# Altium PCB Sheet1.PcbDoc
Units mil, origin at the board's own origin, x right, y up, seen from the top; angles counter-clockwise.
Board outline 4902 x 5615 mil, 2 copper layers (Top Layer, Bottom Layer); 94 components, 48 nets, 516 pads, 0 vias.
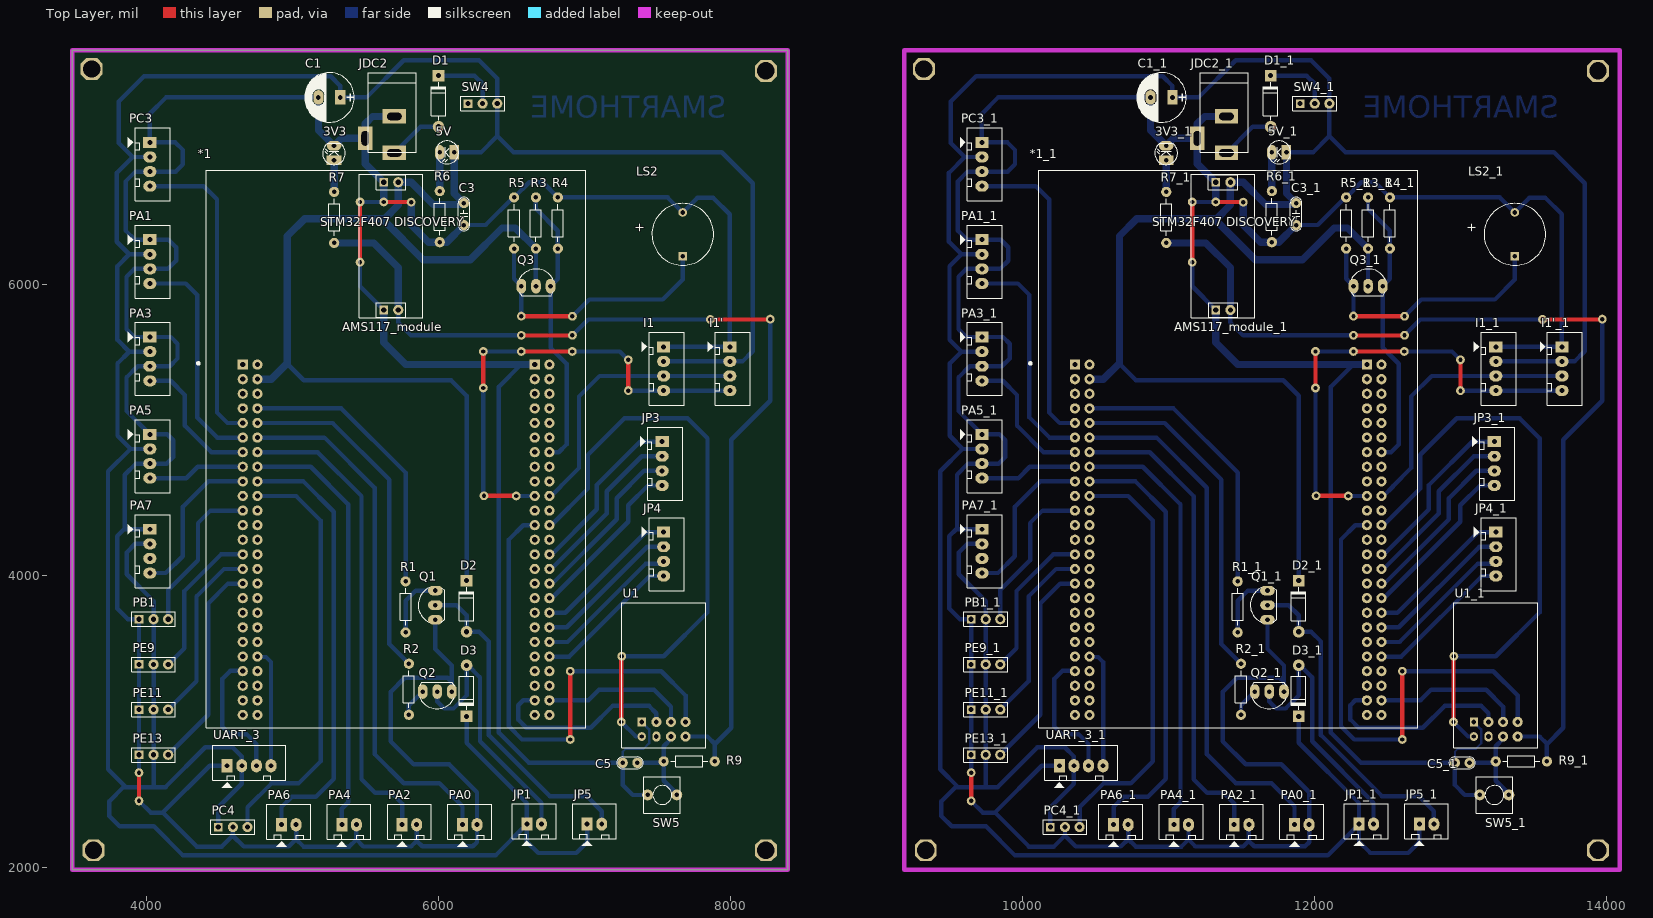
[diagram p0: Top Layer view]
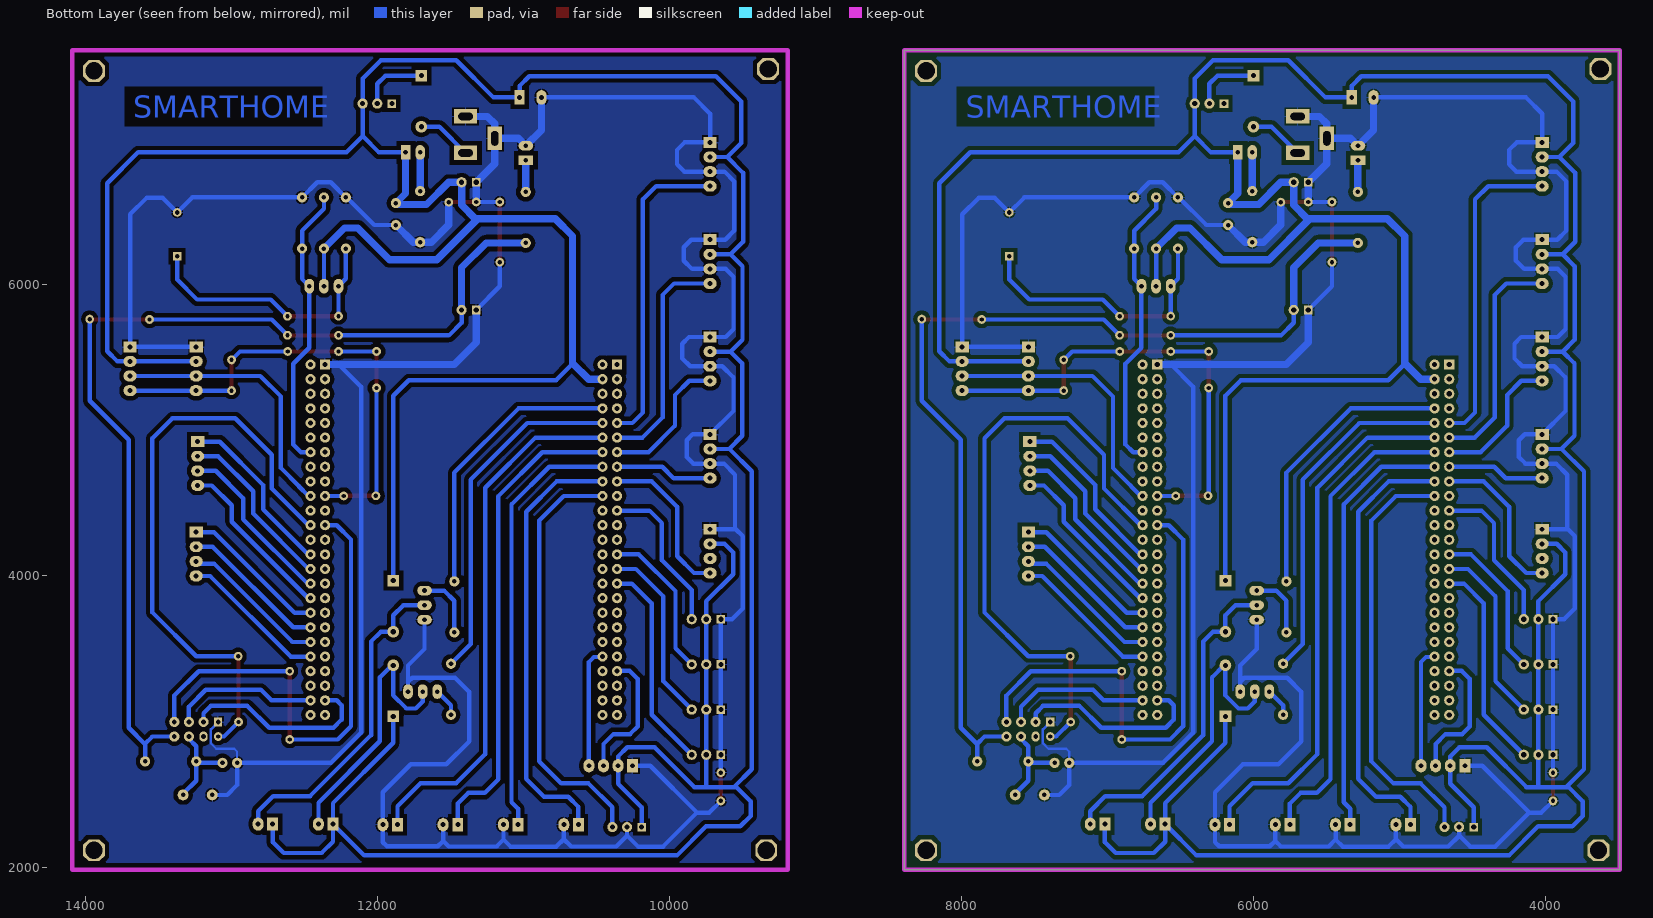
[diagram p1: Bottom Layer view, seen from below]

## Layer stack, top to bottom
Top Solder: solder mask 0.4, Solder Resist, Dk 3.5
Top Layer: signal copper 1.4
Dielectric 1: dielectric 12.6, FR-4, Dk 4.8
Bottom Layer: signal copper 1.4
Bottom Solder: solder mask 0.4, Solder Resist, Dk 3.5

## Board outline
3488,1987 8390,1987 8390,7602 3488,7602

## Design rules (kind name [scope] priority, off if disabled: settings)
Clearance [All] p1: gap=30 ignorepadtopadclearanceinfootprint=FALSE
PolygonConnect [All] p1: connectstyle=Relief reliefconductorwidth=10 reliefentries=4 polygonreliefangle="90 Angle" airgapwidth=10
RoutingVias [All] p1: holewidth=28 width=50 viastyle="Through Hole" minholewidth=28 minwidth=50 maxholewidth=28 maxwidth=50
SolderMaskExpansion [All] p1: expansion=4
UnRoutedNet [All] p1: checkbadconnections=TRUE
Width [All] p1: maxlimit=70 minlimit=10 preferedwidth=30
29 further rules are at their usual default settings.

## Classes and differential pairs
component class Sheet1: 3V3 5V *1 AMS117_module C1 C3 C5 D1 D2 D3 I1 I1' JDC2 JP1 JP3 JP4 JP5 LS2 PA0 PA1 PA2 PA3 PA4 PA5 PA6 PA7 PB1 PC3 PC4 PE9 PE11 PE13 Q1 Q2 Q3 R1 R2 R3 R4 R5 R6 R7 R9 SW4 SW5 U1 UART_3

## Components (designator, comment, footprint, x,y, rotation, side; value= is the part's Value field where it differs from the comment)
3V3 "LED" LED-3 5282,6847 r90 top locked value="LED 3 ly Single Colour"
3V3_1 "LED" LED-3 10982,6847 r90 top locked value="LED 3 ly Single Colour" (schematic designator 3V3)
5V "LED" LED-3 6106,6901.6 r180 top locked value="LED 3 ly Single Colour"
5V_1 "LED" LED-3 11806,6901.6 r180 top locked value="LED 3 ly Single Colour" (schematic designator 5V)
*1 "Component_1" MODULE_STM32F4DISCOVERY 5707,4870.05 r0 top
*1_1 "Component_1" MODULE_STM32F4DISCOVERY 11407,4870.05 r0 top (schematic designator *1)
AMS117_module "Component_1" PCBComponent_1 5455.66,6751.72 r0 top locked
AMS117_module_1 "Component_1" PCBComponent_1 11155.66,6751.72 r0 top locked (schematic designator AMS117_module)
C1 "1000uF/16V" CP1.5/3.4 5325,7278 r180 top locked
C1_1 "1000uF/16V" CP1.5/3.4 11025,7278 r180 top locked (schematic designator C1)
C3 "104" CN1.5 6172,6404 r90 top locked value=0.01uF
C3_1 "104" CN1.5 11872,6404 r90 top locked value=0.01uF (schematic designator C3)
C5 "104" CN1 7360,2720 r180 top locked value=100pF
C5_1 "104" CN1 13060,2720 r180 top locked value=100pF (schematic designator C5)
D1 "1N4007" D1A 5998,7077 r270 top
D1_1 "1N4007" D1A 11698,7077 r270 top (schematic designator D1)
D2 "1N4007" D1A 6190,3618 r270 top
D2_1 "1N4007" D1A 11890,3618 r270 top (schematic designator D2)
D3 "1N4007" D1A 6190,3388 r90 top
D3_1 "1N4007" D1A 11890,3388 r90 top (schematic designator D3)
I1 "" CON4 7540,5570 r270 top locked value="Connector 4"
I1' "" CON4 7993,5570 r270 top value="Connector 4"
I1'_1 "" CON4 13693,5570 r270 top value="Connector 4" (schematic designator I1')
I1_1 "" CON4 13240,5570 r270 top locked value="Connector 4" (schematic designator I1)
JDC2 "Jac DC" DC-IN 5595,7023 r270 top locked
JDC2_1 "Jac DC" DC-IN 11295,7023 r270 top locked (schematic designator JDC2)
JP1 "FAN_5V" CON2 6602.8,2300 r0 top value="Connector 2"
JP1_1 "FAN_5V" CON2 12302.8,2300 r0 top value="Connector 2" (schematic designator JP1)
JP3 "JP4" CON4 7530,4920 r270 top locked value="Connector 4"
JP3_1 "JP4" CON4 13230,4920 r270 top locked value="Connector 4" (schematic designator JP3)
JP4 "JP4" CON4 7540,4300 r270 top locked value="Connector 4"
JP4_1 "JP4" CON4 13240,4300 r270 top locked value="Connector 4" (schematic designator JP4)
JP5 "FAN_5V" CON2 7016,2300 r0 top value="Connector 2"
JP5_1 "FAN_5V" CON2 12716,2300 r0 top value="Connector 2" (schematic designator JP5)
LS2 "Speaker" SPEAKER 7670.5,6190 r90 top
LS2_1 "Speaker" SPEAKER 13370.5,6190 r90 top (schematic designator LS2)
PA0 "" CON2 6161.6,2296 r0 top value="Connector 2"
PA0_1 "" CON2 11861.6,2296 r0 top value="Connector 2" (schematic designator PA0)
PA1 "" CON4 4020,6303.33 r270 top locked value="Connector 4"
PA1_1 "" CON4 9720,6303.33 r270 top locked value="Connector 4" (schematic designator PA1)
PA2 "" CON2 5748.4,2296 r0 top value="Connector 2"
PA2_1 "" CON2 11448.4,2296 r0 top value="Connector 2" (schematic designator PA2)
PA3 "" CON4 4020,5636.67 r270 top locked value="Connector 4"
PA3_1 "" CON4 9720,5636.67 r270 top locked value="Connector 4" (schematic designator PA3)
PA4 "" CON2 5335.2,2296 r0 top value="Connector 2"
PA4_1 "" CON2 11035.2,2296 r0 top value="Connector 2" (schematic designator PA4)
PA5 "" CON4 4020,4970 r270 top locked value="Connector 4"
PA5_1 "" CON4 9720,4970 r270 top locked value="Connector 4" (schematic designator PA5)
PA6 "" CON2 4922,2296 r0 top value="Connector 2"
PA6_1 "" CON2 10622,2296 r0 top value="Connector 2" (schematic designator PA6)
PA7 "" CON4 4020,4320 r270 top value="Connector 4"
PA7_1 "" CON4 9720,4320 r270 top value="Connector 4" (schematic designator PA7)
PB1 "Header 3" HDR1X3 3946,3704 r0 top
PB1_1 "Header 3" HDR1X3 9646,3704 r0 top (schematic designator PB1)
PC3 "" CON4 4020,6970 r270 top locked value="Connector 4"
PC3_1 "" CON4 9720,6970 r270 top locked value="Connector 4" (schematic designator PC3)
PC4 "Header 3" HDR1X3 4489,2280 r0 top
PC4_1 "Header 3" HDR1X3 10189,2280 r0 top (schematic designator PC4)
PE9 "Header 3" HDR1X3 3946,3394.33 r0 top
PE9_1 "Header 3" HDR1X3 9646,3394.33 r0 top (schematic designator PE9)
PE11 "Header 3" HDR1X3 3946,3084.67 r0 top
PE11_1 "Header 3" HDR1X3 9646,3084.67 r0 top (schematic designator PE11)
PE13 "Header 3" HDR1X3 3946,2775 r0 top
PE13_1 "Header 3" HDR1X3 9646,2775 r0 top (schematic designator PE13)
Q1 "C1815" QTO-92 5976,3800 r90 top
Q1_1 "C1815" QTO-92 11676,3800 r90 top (schematic designator Q1)
Q2 "C1815" QTO-92 5989,3208 r180 top
Q2_1 "C1815" QTO-92 11689,3208 r180 top (schematic designator Q2)
Q3 "C1815" QTO-92 6665.24,5985 r0 top
Q3_1 "C1815" QTO-92 12365.24,5985 r0 top (schematic designator Q3)
R1 "1k" R1/4W 5772,3963 r270 top value="R1/4W - 1K"
R1_1 "1k" R1/4W 11472,3963 r270 top value="R1/4W - 1K" (schematic designator R1)
R2 "1k" R1/4W 5794.83,3399 r270 top value="R1/4W - 1K"
R2_1 "1k" R1/4W 11494.83,3399 r270 top value="R1/4W - 1K" (schematic designator R2)
R3 "1k" R1/4W 6665,6593 r270 top value="R1/4W - 1K"
R3_1 "1k" R1/4W 12365,6593 r270 top value="R1/4W - 1K" (schematic designator R3)
R4 "1k" R1/4W 6815,6593 r270 top value="R1/4W - 1K"
R4_1 "1k" R1/4W 12515,6593 r270 top value="R1/4W - 1K" (schematic designator R4)
R5 "1k" R1/4W 6515,6593 r270 top value="R1/4W - 1K"
R5_1 "1k" R1/4W 12215,6593 r270 top value="R1/4W - 1K" (schematic designator R5)
R6 "1k" R1/4W 6006,6636.4 r270 top locked value="R1/4W - 1K"
R6_1 "1k" R1/4W 11706,6636.4 r270 top locked value="R1/4W - 1K" (schematic designator R6)
R7 "1k" R1/4W 5283,6281 r90 top locked value="R1/4W - 1K"
R7_1 "1k" R1/4W 10983,6281 r90 top locked value="R1/4W - 1K" (schematic designator R7)
R9 "1k" R1/4W 7540,2730 r0 top locked value="R1/4W - 1K"
R9_1 "1k" R1/4W 13240,2730 r0 top locked value="R1/4W - 1K" (schematic designator R9)
SW4 "Switch 3x1" HDR1X3 6200,7236 r0 top value="Switch 4x2"
SW4_1 "Switch 3x1" HDR1X3 11900,7236 r0 top value="Switch 4x2" (schematic designator SW4)
SW5 "SW" SW2 7630,2500 r180 top locked value="SW chip 2 pin"
SW5_1 "SW" SW2 13330,2500 r180 top locked value="SW chip 2 pin" (schematic designator SW5)
U1 "ESP-01" ESP8266 7538,2957 r180 top locked
U1_1 "ESP-01" ESP8266 13238,2957 r180 top locked (schematic designator U1)
UART_3 "" CON4 4550,2700 r0 top locked value="Connector 4"
UART_3_1 "" CON4 10250,2700 r0 top locked value="Connector 4" (schematic designator UART_3)

## Footprints (in the part's own frame and the unit in brackets; to place one, negate y for a bottom-side part, rotate by r counter-clockwise, add the part's x,y. Pads: shape width x height; smd on the part's side, far side on the other; paste and mask are expansions set on the pad)
CN1 [mil]
  round 70 hole 31: 1(0,0) 2(100,0)
  silkscreen extent -40,-40 141,40, body extent -60,-30 170,37, height 265
CN1.5 [mil]
  round 70 hole 31: 1(0,0) 2(150,0)
  silkscreen extent -40,-40 190,40, body extent -40,-33 190,33, height 235
CON2 [mil] "CON2"
  rect 75x90 hole 34: 1(0,0)
  oval 75x90 hole 34: 2(100,0)
  silkscreen extent -100,-150 200,140, body extent -68,-70 168,107, height 236
CON4 [mil] "CON4"
  rect 75x90 hole 34: 1(0,0)
  oval 75x90 hole 34: 2(100,0) 3(200,0) 4(300,0)
  silkscreen extent -100,-150 400,140, body extent -90,-90 398,136, height 276
CP1.5/3.4 [mil] "Tu hoa 220->470uF,16V, 470uF/16V,25V"
  rect 70x100 hole 32: 1(0,0)
  oval 70x100 hole 32: 2(150,0)
  silkscreen extent -95,-170 245,170, body extent -85,-157 230,157, height 446
D1A [mil] "Diode 1A, W 100mil, L 350mil"
  round 80 hole 35: 1(0,0)
  rect 80x80 hole 35: 2(-350,0)
  silkscreen extent -305,-50 -45,50, body extent -386,-33 34,36, height 84
DC-IN [mil] "Jac DC input"
  rect 100x160 hole 50 slot 100 at 90 deg: 1(125,100) 2(-125,100)
  rect 160x100 hole 50 slot 100 at 0 deg: 3(25,-100)
  silkscreen extent -425,-80 120,250, body extent -410,-105 134,269, height 434
ESP8266 [mil]
  oval 56x60 hole 30: 1(148,57)
  oval 56x70 hole 32: 2(48,57)
  round 70 hole 32: 3(-52,57) 4(-152,57) 5(-152,-43) 6(-52,-43) 7(48,-43)
  rect 56x60 hole 32: 8(148,-43)
  silkscreen extent -290,-860 285,132, body extent -290,-858 281,118, height 566
HDR1X3 [mm] "Connector; Header; 3 Position"
  rect 1.5x1.5 hole 0.9: 1(0,0)
  round 1.778 hole 0.9: 2(2.54,0) 3(5.08,0)
  silkscreen extent -1.27,-1.27 6.35,1.27
LED-3 [mil] "LED 2 PIN, 3ly Only colour"
  rect 65x100 hole 32: 1(0,0)
  oval 65x100 hole 32: 2(100,0)
  silkscreen extent -29,-78 118,79, body extent -13,-75 125,75, height 217
MODULE_STM32F4DISCOVERY [mil]
  rect 70x70 hole 35: 1(-1050,577.95) 51(950,577.95)
  round 70 hole 35: 2(-1050,477.95) 3(-1050,377.95) 4(-1050,277.95) 5(-1050,177.95) 6(-1050,77.95) 7(-1050,-22.05) 8(-1050,-122.05) 9(-1050,-222.05) 10(-1050,-322.05) 11(-1050,-422.05) 12(-1050,-522.05) 13(-1050,-622.05) 14(-1050,-722.05) 15(-1050,-822.05) 16(-1050,-922.05) 17(-1050,-1022.05) 18(-1050,-1122.05) 19(-1050,-1222.05) 20(-1050,-1322.05) 21(-1050,-1422.05) 22(-1050,-1522.05) 23(-1050,-1622.05) 24(-1050,-1722.05) 25(-1050,-1822.05) 26(-950,577.95) 27(-950,477.95) 28(-950,377.95) 29(-950,277.95) 30(-950,177.95) 31(-950,77.95) 32(-950,-22.05) 33(-950,-122.05) 34(-950,-222.05) 35(-950,-322.05) 36(-950,-422.05) 37(-950,-522.05) 38(-950,-622.05) 39(-950,-722.05) 40(-950,-822.05) 41(-950,-922.05) 42(-950,-1022.05) 43(-950,-1122.05) 44(-950,-1222.05) 45(-950,-1322.05) 46(-950,-1422.05) 47(-950,-1522.05) 48(-950,-1622.05) 49(-950,-1722.05) 50(-950,-1822.05) 52(950,477.95) 53(950,377.95) 54(950,277.95) 55(950,177.95) 56(950,77.95) 57(950,-22.05) 58(950,-122.05) 59(950,-222.05) 60(950,-322.05) 61(950,-422.05) 62(950,-522.05) 63(950,-622.05) 64(950,-722.05) 65(950,-822.05) 66(950,-922.05) 67(950,-1022.05) 68(950,-1122.05) 69(950,-1222.05) 70(950,-1322.05) 71(950,-1422.05) 72(950,-1522.05) 73(950,-1622.05) 74(950,-1722.05) 75(950,-1822.05) 76(1050,577.95) 77(1050,477.95) 78(1050,377.95) 79(1050,277.95) 80(1050,177.95) 81(1050,77.95) 82(1050,-22.05) 83(1050,-122.05) 84(1050,-222.05) 85(1050,-322.05) 86(1050,-422.05) 87(1050,-522.05) 88(1050,-622.05) 89(1050,-722.05) 90(1050,-822.05) 91(1050,-922.05) 92(1050,-1022.05) 93(1050,-1122.05) 94(1050,-1222.05) 95(1050,-1322.05) 96(1050,-1422.05) 97(1050,-1522.05) 98(1050,-1622.05) 99(1050,-1722.05) 100(1050,-1822.05)
  silkscreen extent -1363,-1909 1299,1909, body extent -1298,-2020 1300,1960, height 969
PCBComponent_1 [mm]
  round 1.778 hole 0.9: 1(6.765,-1.39) 3(6.77,-23.61)
  rect 1.5x1.5 hole 0.9: 2(4.225,-1.39) 4(4.23,-23.61)
  silkscreen extent 0,-25 11,0.25
QTO-92 [mil] "TO-92"
  oval 66x100 hole 32: 1(-100,0) 2(0,0) 3(100,0)
  silkscreen extent -117,-65 120,118, body extent -109,-66 109,95, height 245
R1/4W [mil] "R 1/4W, 2 Pin, 350mil"
  round 70 hole 31: 1(0,0) 2(350,0)
  silkscreen extent 48,-38 302,38, body extent -40,-47 386,47, height 111
SPEAKER [mm]
  rect 1.5x1.5 hole 0.8: 1(0,0)
  round 1.5 hole 0.8: 2(7.62,0.013)
  silkscreen extent -1.55,-5.38 9.18,5.36, body extent -2.22,-6 13.24,6, height 4.5
SW2 [mil] "SW button 2pin, 250x 250 mil"
  round 75 hole 31: 1(0,0) 2(200,0)
  silkscreen extent -25,-125 225,125

## Part data
3V3 3V3_1 5V 5V_1: "LED Single colour Green and Red"
C1 C1_1: library part CP4, "Cap 1000uF/16V - 220uF/50V", Description 1="2200uF-3300uF/6,3V - 1000uF-2200uF/10V", Description 2="1000uF/16V - 470uF => 1000uF/25V - 100uF/100V", Description 3=330uF>470uF/35V_220uF>470uF/50V_10uF>22uF/250V, Description 4="220uF => 330uF/63V - 10uF =>33uF/160 - 200V", Description 5="4,7uF>10uF/250V_3,3uF>10uF/400V - 2,2uF>4,7uF/450V"
C3 C3_1: library part CN1.5, "Cap np 682pF => 104pF"
C5 C5_1: library part CN1, "Cap np  1pF - 472pF"
D1 D1_1 D2 D2_1 D3 D3_1: library part D1A, "Diode 1A"
I1 I1' I1'_1 I1_1 JP3 JP3_1 JP4 JP4_1 PA1 PA1_1 PA3 PA3_1 PA5 PA5_1 PA7 PA7_1 PC3 PC3_1 UART_3 UART_3_1: library part Con4, "Connector 4"
JDC2 JDC2_1: library part DCIN, "Jac DC input"
JP1 JP1_1 JP5 JP5_1 PA0 PA0_1 PA2 PA2_1 PA4 PA4_1 PA6 PA6_1: library part Con2, "Connector 2"
LS2 LS2_1: "Loudspeaker", LatestRevisionDate=17-Jul-2002, LatestRevisionNote="Re-released for DXP Platform.", PackageReference=PIN2, Published=24-Mar-1999, Publisher="Altium Limited"
PB1 PB1_1 PC4 PC4_1 PE9 PE9_1 PE11 PE11_1 PE13 PE13_1: "Header, 3-Pin", LatestRevisionDate=17-Jul-2002, LatestRevisionNote="Re-released for DXP Platform.", Publisher="Altium Limited"
Q1 Q1_1 Q2 Q2_1 Q3 Q3_1: "NPN 600mW, ECB", =C2383
R1 R1_1 R2 R2_1 R3 R3_1 R4 R4_1 R5 R5_1 R6 R6_1 R7 R7_1 R9 R9_1: library part R1/4W, "Resistor 1/4W"
SW4 SW4_1: library part SW3x1
SW5 SW5_1: library part SW2, "Switch button 2 pin"
U1 U1_1: library part ESP8266-01, "ESP-12 Wi-Fi Module"

## Free pads (board coordinates)
  round 60 hole 30: 8(5622.2,6562) 8(11322.2,6562) 9(5810,6561) 9(11510,6561) 15(6565.24,5780.24) 15(12265.24,5780.24) 16(6915,5779) 16(12615,5779) 17(3946,2653) 17(9646,2653) 18(3946,2459) 18(9646,2459) 19(6565,5648) 19(6915,5649) 19(12265,5648) 19(12615,5649) 20(7860,5757) 20(13560,5757) 21(8270,5759.67) 21(13970,5759.67) 22(7298,5270) 22(12998,5270) 23(7298,5480) 23(12998,5480) 24(6913.76,5538) 24(12613.76,5538) 25(6565,5538) 25(12265,5538) 26(6305,5538) 26(12005,5538) 27(6305,5288) 27(12005,5288) 28(6530,4548) 28(12230,4548) 29(6309,4549) 29(12009,4549) 30(5460.2,6562) 30(11160.2,6562) 31(5460.2,6150) 31(11160.2,6150) 32(7250,3000) 32(12950,3000) 33(7253,3450) 33(12953,3450) 34(6900.05,3347.95) 34(12600.05,3347.95) 35(6900.05,2880) 35(12600.05,2880)
  oct 150x150 hole 118.11: 14(3622,7472) 14(3635,2121) 14(8240,2121) 14(8240,7460) 14(9322,7472) 14(9335,2121) 14(13940,2121) 14(13940,7460)

## Nets (pads, with @x,y where several pads share a name; then routed paths per layer and width w, separated by ;. In a path a pad name is that pad's centre, name@x,y a point inside that pad or via, vN(x,y) a via of type N, cw(c..) or ccw(c..) an arc to the next point about the centre after c; other vN are vias at no path point)
3V3: AMS117_module.3 pad.19@6565,5648 pad.19@6915,5649 pad.20@7860,5757 pad.21@8270,5759.67 R7.1 R9.2 U1.4 | length 6926.6
  Top Layer w30: pad.19@6565,5648 6906,5646 pad.19@6915,5649 ; pad.20@7860,5757 pad.21@8270,5759.67
  Bottom Layer w30: AMS117_module.3 5722.2,5734.8 5809,5648 pad.19@6565,5648 ; pad.19@6915,5649 7023,5757 pad.20@7860,5757 ; U1.4 7840,2900 7890,2850 7890,2847 ; R9.2 7890,2847 ; pad.21@8270,5759.67 8270,5200 8003,4933 8003,2960 7890,2847
  Bottom Layer w50: R7.1 5554,6281 5722.2,6112.8 AMS117_module.3
5V: 5V.1 *1.27 AMS117_module.1 C1.1 C3.2 D2.2 D3.2 I1'.2 I1.2 JP1.1 JP5.1 PA1.2 PA3.2 PA5.2 PA7.2 PB1.2 PC3.2 PC4.1 PE9.2 PE11.2 PE13.2 Q3.2 R3.2 SW4.3 UART_3.2 | length 28416.7
  Bottom Layer w30: PA7.2 3921,4220 3862,4161 3862,4012 4046,3828 PB1.2 PE9.2 PE11.2 PE13.2 4046,2554 ; PA5.2 3889,4870 ; PA3.2 3879.67,5536.67 ; PA1.2 3879.67,6203.33 ; PC3.2 3903,6870 ; PC4.1 4489,2415 4650,2576 UART_3.2 4650,2763 4587,2826 4400,2826 4128,2554 4046,2554 ; 4962,5453 5075,5340 6084,5340 6190,5234 D2.2 ; 5V.1 6288.6,6901.6 6400,7013 ; D3.2 6190,2857 6602.8,2444.2 JP1.1 ; R3.2 6665,5985.24 Q3.2 ; JP5.1 7016,2177 6941,2102 6681,2102 6602.8,2180.2 JP1.1 ; I1.2 I1'.2 8080,5470 8150,5540 8150,6690 7938,6902 6511,6902 6400,7013 ; 3856,2554 3840,2554 3742,2456 3742,2356 3813,2285 4048,2285 4247,2086 6388.8,2086 JP1.1 ; 3856,2554 4046,2554 ; 3856,2554 3734,2676 3734,4717 3887,4870 3889,4870 ; 3879.67,5536.67 3799,5456 3799,4960 3889,4870 ; 3879.67,5536.67 3798,5618.33 3798,6121.67 3879.67,6203.33 ; 3879.67,6203.33 3794,6289 3794,6761 3903,6870 ; 3903,6870 3807,6966 3807,7250 3980,7423 5259,7423 5325,7357 C1.1 5504,7278 5759,7533 6275,7533 6400,7408 SW4.3 6400,7013
  Bottom Layer w50: *1.27@4750,5347.95 4851.95,5347.95 4962,5458 ; 4962,5453 4962,5458 ; 5V.1 6106,6620 C3.2 6163,6545 5962,6545 5810,6697 AMS117_module.1 5722,6541.6 5628.4,6448 ; R3.2 6524,6384 6433,6384 6216,6167 5895.86,6167 5891.86,6167 5621.63,6437.23 5621.63,6441.23 5628.4,6448 ; 4962,5458 4962,6329 5081,6448 5628.4,6448
ESP_RST: C5.1 R9.1 SW5.1 U1.3 | length 642.1
  Bottom Layer w30: C5.1 7530,2720 R9.1 ; U1.3 7590,2884 7540,2834 R9.1 ; SW5.1 7630,2508 7540,2598 R9.1
GND: 3V3.2 *1.51 AMS117_module.2 AMS117_module.4 C1.2 C3.1 C5.2 I1'.1 I1.1 JDC2.2 JDC2.3 LS2.2 PA0.2 PA1.1 PA1.3 PA2.2 PA3.1 PA3.3 PA4.2 PA5.1 PA5.3 PA6.2 PA7.1 pad.8@5622.2,6562 pad.9@5810,6561 pad.17@3946,2653 pad.18@3946,2459 pad.30@5460.2,6562 pad.31@5460.2,6150 PB1.1 PC3.1 PC3.3 PC4.2 PE9.1 PE11.1 PE13.1 Q1.1 Q2.1 R4.1 R5.1 R6.2 SW5.2 U1.8 UART_3.1 | length 26624.2
  Top Layer w30: pad.18@3946,2459 pad.17@3946,2653 ; pad.31@5460.2,6150 pad.30@5460.2,6562 ; pad.8@5622.2,6562 5809,6562 pad.9@5810,6561
  Bottom Layer w15: C5.2 7260,2796.47 7279.53,2816 7402.65,2816 7440,2853.35
  Bottom Layer w18: U1.8 7440,2950 7440,2853.35
  Bottom Layer w30: pad.18@3946,2459 4026,2379 4109,2379 ; pad.17@3946,2653 PE13.1 PE11.1 PE9.1 PB1.1 3870,3704 3797,3777 3797,4273 3844,4320 3849,4320 ; PA7.1 3849,4320 ; UART_3.1 4430,2700 4109,2379 ; PC4.2 4589,2222 ; PA6.2 5022,2197 ; C1.2 4131,7278 4020,7167 PC3.1 4195,6970 4247,6918 4247,6820 4197,6770 PC3.3 3922,6770 3854,6702 3854,6366 3916.67,6303.33 PA1.1 4148.67,6303.33 4200,6252 4200,6160 4143.33,6103.33 PA1.3 3913.33,6103.33 3860,6050 3860,5690 3913.33,5636.67 PA3.1 4164.5,5636.67 4210,5591.17 4210,5490 4156.67,5436.67 PA3.3 3936.67,5436.67 3860,5360 3860,5130 PA5.1 4140,4970 4180,4930 4180,4815 4135,4770 PA5.3 3925,4770 3849,4694 3849,4320 ; PA4.2 5435.2,2194.2 ; pad.31@5460.2,6150 5460.2,5984.2 AMS117_module.4 ; pad.30@5460.2,6562 pad.8@5622.2,6562 ; PA2.2 5848.4,2185.4 ; Q1.1 5976,3500 6089,3387 6089,3274 ; Q2.1 6089,3274 ; C3.1 6320,6404 6509,6593 R5.1 6619,6697 6711,6697 R4.1 7567,6593 LS2.2 7770,6590 7880,6590 7993,6477 I1'.1 I1.1 ; 6562.95,5447.95 6410,5295 6410,2927 6617,2720 C5.2 7260,2568 7328,2500 SW5.2 ; 4109,2379 4342,2146 4513,2146 4589,2222 ; 4589,2222 4589,2221 4663.5,2146.5 4971.5,2146.5 5022,2197 ; 5022,2197 5073,2146 5387,2146 5435.2,2194.2 ; 5435.2,2194.2 5482.4,2147 5810,2147 5848.4,2185.4 ; 5848.4,2185.4 5885.8,2148 6233,2148 6261.6,2176.6 PA0.2 6261.6,2518.4 6070,2710 5827,2710 5670,2867 5670,3206 5767,3303 6060,3303 6089,3274
  Bottom Layer w50: C1.2 5175,7054 3V3.2 5333,6998 JDC2.3 ; AMS117_module.4 5622.2,5598.8 5773,5448 *1.51 ; pad.8@5622.2,6562 5622,6562.2 AMS117_module.2 5495,6824 JDC2.3 ; JDC2.2 5546,7148 5495,7097 JDC2.3 ; pad.9@5810,6561 5810,6405 5928.6,6286.4 R6.2 6054.4,6286.4 C3.1
K_1: *1.93 JP4.1 | length 1018.7
  Bottom Layer w30: *1.93@6750,3747.95 6865.95,3747.95 7418,4300 JP4.1
K_2: *1.94 JP4.2 | length 1018.7
  Bottom Layer w30: *1.94@6750,3647.95 6875.95,3647.95 7428,4200 JP4.2
K_3: *1.95 JP4.3 | length 1018.7
  Bottom Layer w30: *1.95@6750,3547.95 6880.95,3547.95 7415.5,4082.5 7522.5,4082.5 JP4.3
K_4: *1.96 JP4.4 | length 1018.7
  Bottom Layer w30: *1.96@6750,3447.95 6892.95,3447.95 7445,4000 JP4.4
K_A: *1.89 JP3.1 | length 1197.2
  Bottom Layer w30: *1.89@6750,4147.95 6772.73,4147.95 7082,4457.22 7082,4623.5 7378.5,4920 JP3.1
K_B: *1.90 JP3.2 | length 1188.9
  Bottom Layer w30: *1.90@6750,4047.95 6770.09,4047.95 7150,4427.86 7150,4580 7390,4820 JP3.2
K_C: *1.91 JP3.3 | length 1184.1
  Bottom Layer w30: *1.91@6750,3947.95 6777.95,3947.95 7219,4389 7219,4533 7406,4720 JP3.3
K_D: *1.92 JP3.4 | length 1165.4
  Bottom Layer w30: *1.92@6750,3847.95 6772.95,3847.95 7297,4372 7297,4484 7433,4620 JP3.4
Net3V3_1: 3V3.1 R7.2 | length 216.4
  Bottom Layer w50: 3V3.1 5283,6846 R7.2
Net5V_2: 5V.2 R6.1 | length 265.2
  Bottom Layer w50: R6.1 5V.2
NetD1_1: D1.1 JDC2.1 | length 377.1
  Bottom Layer w30: JDC2.1 5874,7077 D1.1
NetD1_2: D1.2 SW4.2 | length 460.2
  Bottom Layer w30: D1.2 6244,7427 6300,7371 SW4.2
NetD2_1: D2.1 JP5.2 Q1.2 | length 2255.1
  Bottom Layer w30: Q1.2 6121,3800 6190,3731 D2.1 6275,3618 6342,3551 6342,2910.15 6760.15,2492 7013,2492 7116,2389 JP5.2
NetD3_1: D3.1 JP1.2 Q2.2 | length 1838
  Bottom Layer w30: Q2.2 5989,3140 6037,3092 6100.31,3092 6190,3181.69 D3.1 6199,3388 6282,3305 6282,2868 6702.8,2447.2 JP1.2
NetLS2_1: LS2.1 pad.15@6565.24,5780.24 pad.16@6915,5779 Q3.1 R5.2 | length 1853.4
  Top Layer w30: pad.15@6565.24,5780.24 6913.76,5780.24 pad.16@6915,5779
  Bottom Layer w30: R5.2 6515,6035.24 Q3.1 6565.24,5780.24 pad.15@6565,5780 ; pad.16@6915,5779 7030,5894 7534,5894 7670.5,6030.5 LS2.1
NetQ1_3: Q1.3 R1.2 | length 450
  Bottom Layer w30: R1.2 5772,3830 5842,3900 Q1.3
NetQ2_3: Q2.3 R2.2 | length 198
  Bottom Layer w30: R2.2 5794.83,3113.83 Q2.3
PA0: *1.31 PA0.1 | length 3652.6
  Bottom Layer w30: *1.31@4750,4947.95 5216.05,4947.95 5560,4604 5560,2780 5760,2580 6004,2580 6161.6,2422.4 PA0.1
PA1: *1.6 PA1.4 | length 1558.8
  Bottom Layer w30: PA1.4 4266.67,6003.33 4345.28,5924.72 4345.28,5085.51 4482.84,4947.95 *1.6@4650,4947.95
PA2: *1.32 PA2.1 | length 3276.7
  Bottom Layer w30: *1.32@4750,4847.95 5169.24,4847.95 5470,4547.2 5470,2608 5564,2514 5676,2514 5748.4,2441.6 PA2.1
PA3: *1.7 PA3.4 | length 955.4
  Bottom Layer w30: PA3.4 4163.33,5336.67 4260,5240 4260,5030 4442.05,4847.95 *1.7@4650,4847.95
PA4: *1.33 PA4.1 | length 2949.4
  Bottom Layer w30: *1.33@4750,4747.95 5122.05,4747.95 5380,4490 5380,2450 5335.2,2405.2 PA4.1
PA5: *1.8 PA5.4 | length 662.3
  Bottom Layer w30: PA5.4 4270,4670 4347.95,4747.95 *1.8@4650,4747.95
PA6: *1.34 PA6.1 | length 3005.7
  Bottom Layer w30: *1.34@4750,4647.95 5072.05,4647.95 5280,4440 5280,2610 5158,2488 4992,2488 4922,2418 PA6.1
PA7: *1.9 PA7.4 | length 1088.1
  Bottom Layer w30: PA7.4 4130,4020 4245,4135 4245,4472.95 4420,4647.95 *1.9@4650,4647.95
PB1: *1.11 PB1.3 | length 1078.1
  Bottom Layer w30: PB1.3 4146,3904 4350,4108 4350,4362.06 4435.9,4447.95 *1.11@4650,4447.95
PC0: *1.29 R1.1 | length 1949.2
  Bottom Layer w30: *1.29@4750,5147.95 5332.05,5147.95 5772,4708 R1.1
PC2: *1.30 R2.1 | length 2387.5
  Bottom Layer w30: *1.30@4750,5047.95 5272.05,5047.95 5660,4660 5660,3533.83 R2.1
PC3: *1.5 PC3.4 | length 2157.1
  Bottom Layer w30: PC3.4 4390,6670 4480,6580 4480,5120 4552.05,5047.95 *1.5@4650,5047.95
PC4: *1.35 PC4.3 | length 2926
  Bottom Layer w30: PC4.3 4689,2415 4853,2579 5039,2579 5190,2730 5190,4380 5022.05,4547.95 *1.35@4750,4547.95
PE5: *1.82 Q3.3 R3.1 R4.2 | length 1967.2
  Bottom Layer w30: R3.1 6665,6515 6815,6365 R4.2 6815,6034.76 Q3.3 6765.24,5562.76 6875,5453 6875,4901 6821.95,4847.95 *1.82@6750,4847.95
PE9: *1.14 PE9.3 | length 1045.6
  Bottom Layer w30: PE9.3 4257,3505.33 4257,3897 4507.95,4147.95 *1.14@4650,4147.95
PE11: *1.15 PE11.3 | length 1243.5
  Bottom Layer w30: PE11.3 4340,3278.67 4340,3860 4527.95,4047.95 *1.15@4650,4047.95
PE13: *1.16 PE13.3 | length 1436.8
  Bottom Layer w30: PE13.3 4420,3049 4420,3812.05 4555.9,3947.95 *1.16@4650,3947.95
RX_1: *1.87 pad.32@7250,3000 pad.33@7253,3450 U1.1 | length 4111.8
  Top Layer w30: pad.32@7250,3000 pad.33@7250,3447.95
  Bottom Layer w30: *1.87 6770.78,4348 7022,4599.22 7022,4830 7272,5080 7703,5080 7840,4943 7840,3750 7540,3450 pad.33@7253,3450 ; pad.32@7250,3000 7350,2900 U1.1
RX_3: *1.22 UART_3.3 | length 908.9
  Bottom Layer w30: *1.22@4643,3351 4572,3351 4516,3295 4516,2969 4568,2917 4682,2917 4750,2849 UART_3.3
RX_6: *1.99 U1.6 | length 1021.9
  Bottom Layer w30: *1.99@6750,3147.95 7024.95,3147.95 7097,3220 7474,3220 7590,3104 U1.6
SCL_1: *1.60 I1'.4 I1.4 pad.22@7298,5270 pad.23@7298,5480 pad.24@6913.76,5538 pad.25@6565,5538 pad.26@6305,5538 pad.27@6305,5288 pad.28@6530,4548 pad.29@6309,4549 | length 3261.1
  Top Layer w30: pad.27@6305,5288 pad.26@6305,5538 ; pad.29@6309,4549 6529,4549 pad.28@6530,4548 ; pad.25@6565,5538 pad.24@6913.76,5538 ; pad.22@7298,5270 pad.23@7298,5480
  Bottom Layer w30: pad.27@6305,5288 6305,4553 pad.29@6309,4549 ; pad.26@6305,5538 pad.25@6565,5538 ; pad.28@6530,4548 *1.60 ; pad.24@6913.76,5538 7240,5538 pad.23@7298,5480 ; pad.22@7298,5270 I1.4 I1'.4
SCL_2: *1.42
SDA_1: *1.85 I1'.3 I1.3 | length 1864.2
  Bottom Layer w30: *1.85 6770.14,4548 6837,4614.86 6837,4617 6960,4740 6960,5229 7101,5370 I1.3 I1'.3
SDA_2: *1.18
TX_1: *1.62 pad.34@6900.05,3347.95 pad.35@6900.05,2880 U1.5 | length 3463
  Top Layer w30: pad.35@6900.05,2880 pad.34@6900.05,3347.95
  Bottom Layer w30: *1.62 6578,4348 6480,4250 6480,2970 6570,2880 pad.35@6900.05,2880 ; pad.34@6900.05,3347.95 7523.05,3347.95 7690,3181 U1.5
TX_3: *1.46 UART_3.4 | length 834.6
  Bottom Layer w30: *1.46@4743,3451 4749,3445 4816,3445 4850,3411 UART_3.4
TX_6: *1.74 U1.7 | length 1329.6
  Bottom Layer w30: *1.74@6650,3147.95 6577.95,3147.95 6544,3114 6544,3016 6599.45,2960.55 7040.55,2960.55 7190,3110 7440,3110 7490,3060 U1.7
pads on no net: 3V3_1.1 3V3_1.2 5V_1.1 5V_1.2 *1.1 *1.2 *1.3 *1.4 *1.10 *1.12 *1.13 *1.17 *1.19 *1.20 *1.21 *1.23 *1.24 *1.25 *1.26 *1.28 *1.36 *1.37 *1.38 *1.39 *1.40 *1.41 *1.43 *1.44 *1.45 *1.47 *1.48 *1.49 *1.50 *1.52 *1.53 *1.54 *1.55 *1.56 *1.57 *1.58 *1.59 *1.61 *1.63 *1.64 *1.65 *1.66 *1.67 *1.68 *1.69 *1.70 *1.71 *1.72 *1.73 *1.75 *1.76 *1.77 *1.78 *1.79 *1.80 *1.81 *1.83 *1.84 *1.86 *1.88 *1.97 *1.98 *1.100 *1_1.1 *1_1.2 *1_1.3 *1_1.4 *1_1.5 *1_1.6 *1_1.7 *1_1.8 *1_1.9 *1_1.10 *1_1.11 *1_1.12 *1_1.13 *1_1.14 *1_1.15 *1_1.16 *1_1.17 *1_1.18 *1_1.19 *1_1.20 *1_1.21 *1_1.22 *1_1.23 *1_1.24 *1_1.25 *1_1.26 *1_1.27 *1_1.28 *1_1.29 *1_1.30 *1_1.31 *1_1.32 *1_1.33 *1_1.34 *1_1.35 *1_1.36 *1_1.37 *1_1.38 *1_1.39 *1_1.40 *1_1.41 *1_1.42 *1_1.43 *1_1.44 *1_1.45 *1_1.46 *1_1.47 *1_1.48 *1_1.49 *1_1.50 *1_1.51 *1_1.52 *1_1.53 *1_1.54 *1_1.55 *1_1.56 *1_1.57 *1_1.58 *1_1.59 *1_1.60 *1_1.61 *1_1.62 *1_1.63 *1_1.64 *1_1.65 *1_1.66 *1_1.67 *1_1.68 *1_1.69 *1_1.70 *1_1.71 *1_1.72 *1_1.73 *1_1.74 *1_1.75 *1_1.76 *1_1.77 *1_1.78 *1_1.79 *1_1.80 *1_1.81 *1_1.82 *1_1.83 *1_1.84 *1_1.85 *1_1.86 *1_1.87 *1_1.88 *1_1.89 *1_1.90 *1_1.91 *1_1.92 *1_1.93 *1_1.94 *1_1.95 *1_1.96 *1_1.97 *1_1.98 *1_1.99 *1_1.100 AMS117_module_1.1 AMS117_module_1.2 AMS117_module_1.3 AMS117_module_1.4 C1_1.1 C1_1.2 C3_1.1 C3_1.2 C5_1.1 C5_1.2 D1_1.1 D1_1.2 D2_1.1 D2_1.2 D3_1.1 D3_1.2 I1'_1.1 I1'_1.2 I1'_1.3 I1'_1.4 I1_1.1 I1_1.2 I1_1.3 I1_1.4 JDC2_1.1 JDC2_1.2 JDC2_1.3 JP1_1.1 JP1_1.2 JP3_1.1 JP3_1.2 JP3_1.3 JP3_1.4 JP4_1.1 JP4_1.2 JP4_1.3 JP4_1.4 JP5_1.1 JP5_1.2 LS2_1.1 LS2_1.2 PA0_1.1 PA0_1.2 PA1_1.1 PA1_1.2 PA1_1.3 PA1_1.4 PA2_1.1 PA2_1.2 PA3_1.1 PA3_1.2 PA3_1.3 PA3_1.4 PA4_1.1 PA4_1.2 PA5_1.1 PA5_1.2 PA5_1.3 PA5_1.4 PA6_1.1 PA6_1.2 PA7.3 PA7_1.1 PA7_1.2 PA7_1.3 PA7_1.4 PB1_1.1 PB1_1.2 PB1_1.3 PC3_1.1 PC3_1.2 PC3_1.3 PC3_1.4 PC4_1.1 PC4_1.2 PC4_1.3 PE9_1.1 PE9_1.2 PE9_1.3 PE11_1.1 PE11_1.2 PE11_1.3 PE13_1.1 PE13_1.2 PE13_1.3 Q1_1.1 Q1_1.2 Q1_1.3 Q2_1.1 Q2_1.2 Q2_1.3 Q3_1.1 Q3_1.2 Q3_1.3 R1_1.1 R1_1.2 R2_1.1 R2_1.2 R3_1.1 R3_1.2 R4_1.1 R4_1.2 R5_1.1 R5_1.2 R6_1.1 R6_1.2 R7_1.1 R7_1.2 R9_1.1 R9_1.2 SW4.1 SW4_1.1 SW4_1.2 SW4_1.3 SW5_1.1 SW5_1.2 U1.2 U1_1.1 U1_1.2 U1_1.3 U1_1.4 U1_1.5 U1_1.6 U1_1.7 U1_1.8 UART_3_1.1 UART_3_1.2 UART_3_1.3 UART_3_1.4
copper on no net: | length 129468.6
  Top Layer w30: 9646,2459 9646,2653 ; 11160.2,6150 11160.2,6562 ; 11322.2,6562 11509,6562 11510,6561 ; 12005,5288 12005,5538 ; 12009,4549 12229,4549 12230,4548 ; 12265,5538 12613.76,5538 ; 12265,5648 12606,5646 12615,5649 ; 12265.24,5780.24 12613.76,5780.24 12615,5779 ; 12600.05,2880 12600.05,3347.95 ; 12950,3000 12950,3447.95 ; 12998,5270 12998,5480 ; 13560,5757 13970,5759.67
  Bottom Layer w15: 12960,2720 12960,2796.47 12979.53,2816 13102.65,2816 13140,2853.35
  Bottom Layer w18: 13090,3000 13140,2950 13140,2853.35
  Bottom Layer w30: 9646,2459 9726,2379 9809,2379 ; 9646,2653 9646,2775 9646,3084.67 9646,3394.33 9646,3704 9570,3704 9497,3777 9497,4273 9544,4320 9549,4320 ; 9720,4020 9830,4020 9945,4135 9945,4472.95 10120,4647.95 10350,4647.95 ; 9720,4220 9621,4220 9562,4161 9562,4012 9746,3828 9746,3704 9746,3394.33 9746,3084.67 9746,2775 9746,2554 ; 9720,4320 9549,4320 ; 9720,4670 9970,4670 10047.95,4747.95 10350,4747.95 ; 9720,4870 9589,4870 ; 9720,5336.67 9863.33,5336.67 9960,5240 9960,5030 10142.05,4847.95 10350,4847.95 ; 9720,5536.67 9579.67,5536.67 ; 9720,6003.33 9966.67,6003.33 10045.28,5924.72 10045.28,5085.51 10182.84,4947.95 10350,4947.95 ; 9720,6203.33 9579.67,6203.33 ; 9720,6670 10090,6670 10180,6580 10180,5120 10252.05,5047.95 10350,5047.95 ; 9720,6870 9603,6870 ; 9846,2775 10120,3049 10120,3812.05 10255.9,3947.95 10350,3947.95 ; 9846,3084.67 10040,3278.67 10040,3860 10227.95,4047.95 10350,4047.95 ; 9846,3394.33 9957,3505.33 9957,3897 10207.95,4147.95 10350,4147.95 ; 9846,3704 9846,3904 10050,4108 10050,4362.06 10135.9,4447.95 10350,4447.95 ; 10189,2280 10189,2415 10350,2576 10350,2700 10350,2763 10287,2826 10100,2826 9828,2554 9746,2554 ; 10250,2700 10130,2700 9809,2379 ; 10289,2280 10289,2222 ; 10343,3351 10272,3351 10216,3295 10216,2969 10268,2917 10382,2917 10450,2849 10450,2700 ; 10389,2280 10389,2415 10553,2579 10739,2579 10890,2730 10890,4380 10722.05,4547.95 10450,4547.95 ; 10443,3451 10449,3445 10516,3445 10550,3411 10550,2700 ; 10450,4647.95 10772.05,4647.95 10980,4440 10980,2610 10858,2488 10692,2488 10622,2418 10622,2296 ; 10450,4747.95 10822.05,4747.95 11080,4490 11080,2450 11035.2,2405.2 11035.2,2296 ; 10450,4847.95 10869.24,4847.95 11170,4547.2 11170,2608 11264,2514 11376,2514 11448.4,2441.6 11448.4,2296 ; 10450,4947.95 10916.05,4947.95 11260,4604 11260,2780 11460,2580 11704,2580 11861.6,2422.4 11861.6,2296 ; 10450,5047.95 10972.05,5047.95 11360,4660 11360,3533.83 11494.83,3399 ; 10450,5147.95 11032.05,5147.95 11472,4708 11472,3963 ; 10662,5453 10775,5340 11784,5340 11890,5234 11890,3968 ; 10722,2296 10722,2197 ; 10875,7278 9831,7278 9720,7167 9720,6970 9895,6970 9947,6918 9947,6820 9897,6770 9720,6770 9622,6770 9554,6702 9554,6366 9616.67,6303.33 9720,6303.33 9848.67,6303.33 9900,6252 9900,6160 9843.33,6103.33 9720,6103.33 9613.33,6103.33 9560,6050 9560,5690 9613.33,5636.67 9720,5636.67 9864.5,5636.67 9910,5591.17 9910,5490 9856.67,5436.67 9720,5436.67 9636.67,5436.67 9560,5360 9560,5130 9720,4970 9840,4970 9880,4930 9880,4815 9835,4770 9720,4770 9625,4770 9549,4694 9549,4320 ; 11135.2,2296 11135.2,2194.2 ; 11160.2,6150 11160.2,5984.2 11322.2,5822.2 ; 11160.2,6562 11322.2,6562 ; 11395,6898 11574,7077 11698,7077 ; 11422.2,5822.2 11422.2,5734.8 11509,5648 12265,5648 ; 11472,3613 11472,3830 11542,3900 11676,3900 ; 11494.83,3049 11494.83,3113.83 11589,3208 ; 11548.4,2296 11548.4,2185.4 ; 11676,3700 11676,3500 11789,3387 11789,3274 ; 11676,3800 11821,3800 11890,3731 11890,3618 11975,3618 12042,3551 12042,2910.15 12460.15,2492 12713,2492 12816,2389 12816,2300 ; 11689,3208 11689,3140 11737,3092 11800.31,3092 11890,3181.69 11890,3388 11899,3388 11982,3305 11982,2868 12402.8,2447.2 12402.8,2300 ; 11698,7427 11944,7427 12000,7371 12000,7236 ; 11789,3208 11789,3274 ; 11806,6901.6 11988.6,6901.6 12100,7013 ; 11872,6404 12020,6404 12209,6593 12215,6593 12319,6697 12411,6697 12515,6593 13267,6593 13370,6490 13470,6590 13580,6590 13693,6477 13693,5570 13240,5570 ; 11890,3038 11890,2857 12302.8,2444.2 12302.8,2300 ; 12005,5288 12005,4553 12009,4549 ; 12005,5538 12265,5538 ; 12215,6243 12215,6035.24 12265.24,5985 12265.24,5780.24 12265,5780 ; 12230,4548 12357,4548 ; 12262.95,5447.95 12110,5295 12110,2927 12317,2720 12960,2720 12960,2568 13028,2500 13130,2500 ; 12350,3147.95 12277.95,3147.95 12244,3114 12244,3016 12299.45,2960.55 12740.55,2960.55 12890,3110 13140,3110 13190,3060 13190,3000 ; 12357,4348 12278,4348 12180,4250 12180,2970 12270,2880 12600.05,2880 ; 12365,6243 12365,5985.24 12365.24,5985 ; 12365,6593 12365,6515 12515,6365 12515,6243 12515,6034.76 12465.24,5985 12465.24,5562.76 12575,5453 12575,4901 12521.95,4847.95 12450,4847.95 ; 12450,3147.95 12724.95,3147.95 12797,3220 13174,3220 13290,3104 13290,3000 ; 12450,3447.95 12592.95,3447.95 13145,4000 13240,4000 ; 12450,3547.95 12580.95,3547.95 13115.5,4082.5 13222.5,4082.5 13240,4100 ; 12450,3647.95 12575.95,3647.95 13128,4200 13240,4200 ; 12450,3747.95 12565.95,3747.95 13118,4300 13240,4300 ; 12450,3847.95 12472.95,3847.95 12997,4372 12997,4484 13133,4620 13230,4620 ; 12450,3947.95 12477.95,3947.95 12919,4389 12919,4533 13106,4720 13230,4720 ; 12450,4047.95 12470.09,4047.95 12850,4427.86 12850,4580 13090,4820 13230,4820 ; 12450,4147.95 12472.73,4147.95 12782,4457.22 12782,4623.5 13078.5,4920 13230,4920 ; 12457,4348 12470.78,4348 12722,4599.22 12722,4830 12972,5080 13403,5080 13540,4943 13540,3750 13240,3450 12953,3450 ; 12457,4548 12470.14,4548 12537,4614.86 12537,4617 12660,4740 12660,5229 12801,5370 13240,5370 13693,5370 ; 12600.05,3347.95 13223.05,3347.95 13390,3181 13390,3000 ; 12613.76,5538 12940,5538 12998,5480 ; 12615,5649 12723,5757 13560,5757 ; 12615,5779 12730,5894 13234,5894 13370.5,6030.5 13370.5,6190 ; 12716,2300 12716,2177 12641,2102 12381,2102 12302.8,2180.2 12302.8,2300 ; 12950,3000 13050,2900 13090,2900 ; 12998,5270 13240,5270 13693,5270 ; 13060,2720 13230,2720 13240,2730 ; 13240,5470 13693,5470 13780,5470 13850,5540 13850,6690 13638,6902 12211,6902 12100,7013 ; 13290,2900 13290,2884 13240,2834 13240,2730 ; 13330,2500 13330,2508 13240,2598 13240,2730 ; 13390,2900 13540,2900 13590,2850 13590,2847 ; 13590,2730 13590,2847 ; 13970,5759.67 13970,5200 13703,4933 13703,2960 13590,2847 ; 9556,2554 9434,2676 9434,4717 9587,4870 9589,4870 ; 9556,2554 9746,2554 ; 9556,2554 9540,2554 9442,2456 9442,2356 9513,2285 9748,2285 9947,2086 12088.8,2086 12302.8,2300 ; 9579.67,5536.67 9498,5618.33 9498,6121.67 9579.67,6203.33 ; 9579.67,5536.67 9499,5456 9499,4960 9589,4870 ; 9579.67,6203.33 9494,6289 9494,6761 9603,6870 ; 9603,6870 9507,6966 9507,7250 9680,7423 10959,7423 11025,7357 11025,7278 11204,7278 11459,7533 11975,7533 12100,7408 12100,7236 12100,7013 ; 9809,2379 10042,2146 10213,2146 10289,2222 ; 10289,2222 10289,2221 10363.5,2146.5 10671.5,2146.5 10722,2197 ; 10722,2197 10773,2146 11087,2146 11135.2,2194.2 ; 11135.2,2194.2 11182.4,2147 11510,2147 11548.4,2185.4 ; 11548.4,2185.4 11585.8,2148 11933,2148 11961.6,2176.6 11961.6,2296 11961.6,2518.4 11770,2710 11527,2710 11370,2867 11370,3206 11467,3303 11760,3303 11789,3274
  Bottom Layer w50: 10450,5347.95 10551.95,5347.95 10662,5458 ; 10662,5453 10662,5458 ; 10875,7278 10875,7054 10982,6947 11033,6998 11195,6998 ; 10982,6847 10983,6846 10983,6631 ; 10983,6281 11254,6281 11422.2,6112.8 11422.2,5822.2 ; 11322.2,5822.2 11322.2,5598.8 11473,5448 12357,5448 ; 11322.2,6562 11322,6562.2 11322,6697 11195,6824 11195,6998 ; 11395,7148 11246,7148 11195,7097 11195,6998 ; 11510,6561 11510,6405 11628.6,6286.4 11706,6286.4 11754.4,6286.4 11872,6404 ; 11706,6636.4 11706,6901.6 ; 11806,6901.6 11806,6620 11872,6554 11863,6545 11662,6545 11510,6697 11422,6697 11422,6541.6 11328.4,6448 ; 12365,6243 12224,6384 12133,6384 11916,6167 11595.86,6167 11591.86,6167 11321.63,6437.23 11321.63,6441.23 11328.4,6448 ; 10662,5458 10662,6329 10781,6448 11328.4,6448

## Polygon pours and split planes (outlines as drawn)
no net on Bottom Layer "Bottom Layer-GND 1" (solid, remove dead copper, pour order 30): 9030,7570
no net on Bottom Layer "Bottom Layer-No Net" (solid, remove dead copper, pour order 28): 9188,7602 9188,1988
no net on Bottom Layer "Bottom Layer-GND" (solid, pour order 26): 9188,7602 9188,1990 9188,1988 14090,1988 14090,7602
GND on Bottom Layer "Bottom Layer-GND" (solid, pour order 20): 3488,7602 3488,1990 3488,1988 8390,1988 8390,7602
no net on Bottom Layer "Bottom Layer-No Net" (solid, remove dead copper, pour order 18): 3488,7602 3488,1988
no net on Bottom Layer "Bottom Layer-No Net 1" (solid, remove dead copper, pour order 16): 3880,7800
GND on Bottom Layer "Bottom Layer-GND 1" (solid, remove dead copper, pour order 10): 3330,7570

## Keep-outs
Keep-Out Layer:
  lines w30: 3488,1988 8390,1988 8390,7602 3488,7602 3488,1988 ; 9188,1988 9188,7602 14090,7602 14090,1988 9188,1988

## Other copper
Bottom Layer:
  text "SMARTHOME" at 7970,7140 h150
  text "SMARTHOME" at 13670,7140 h150

## Text inside footprints (layer, text, board x,y; h text height)
*1: Top Overlay "STM32F407 DISCOVERY" at 5187,6395.05 h60
*1_1: Top Overlay "STM32F407 DISCOVERY" at 10887,6395.05 h60
LS2: Top Overlay "+" at 7402,6350 h60 r90
LS2_1: Top Overlay "+" at 13102,6350 h60 r90